# Altium PCB WPTChargerMain.PcbDoc (part 2 of 3)
Units mm, origin at the board's own origin, x right, y up, seen from the top; angles counter-clockwise.
Board outline 107.3 x 57.2 mm, 4 copper layers (Top, GND, Power, Bottom), stack 1.534 mm thick; 206 components, 90 nets, 548 pads, 577 vias.
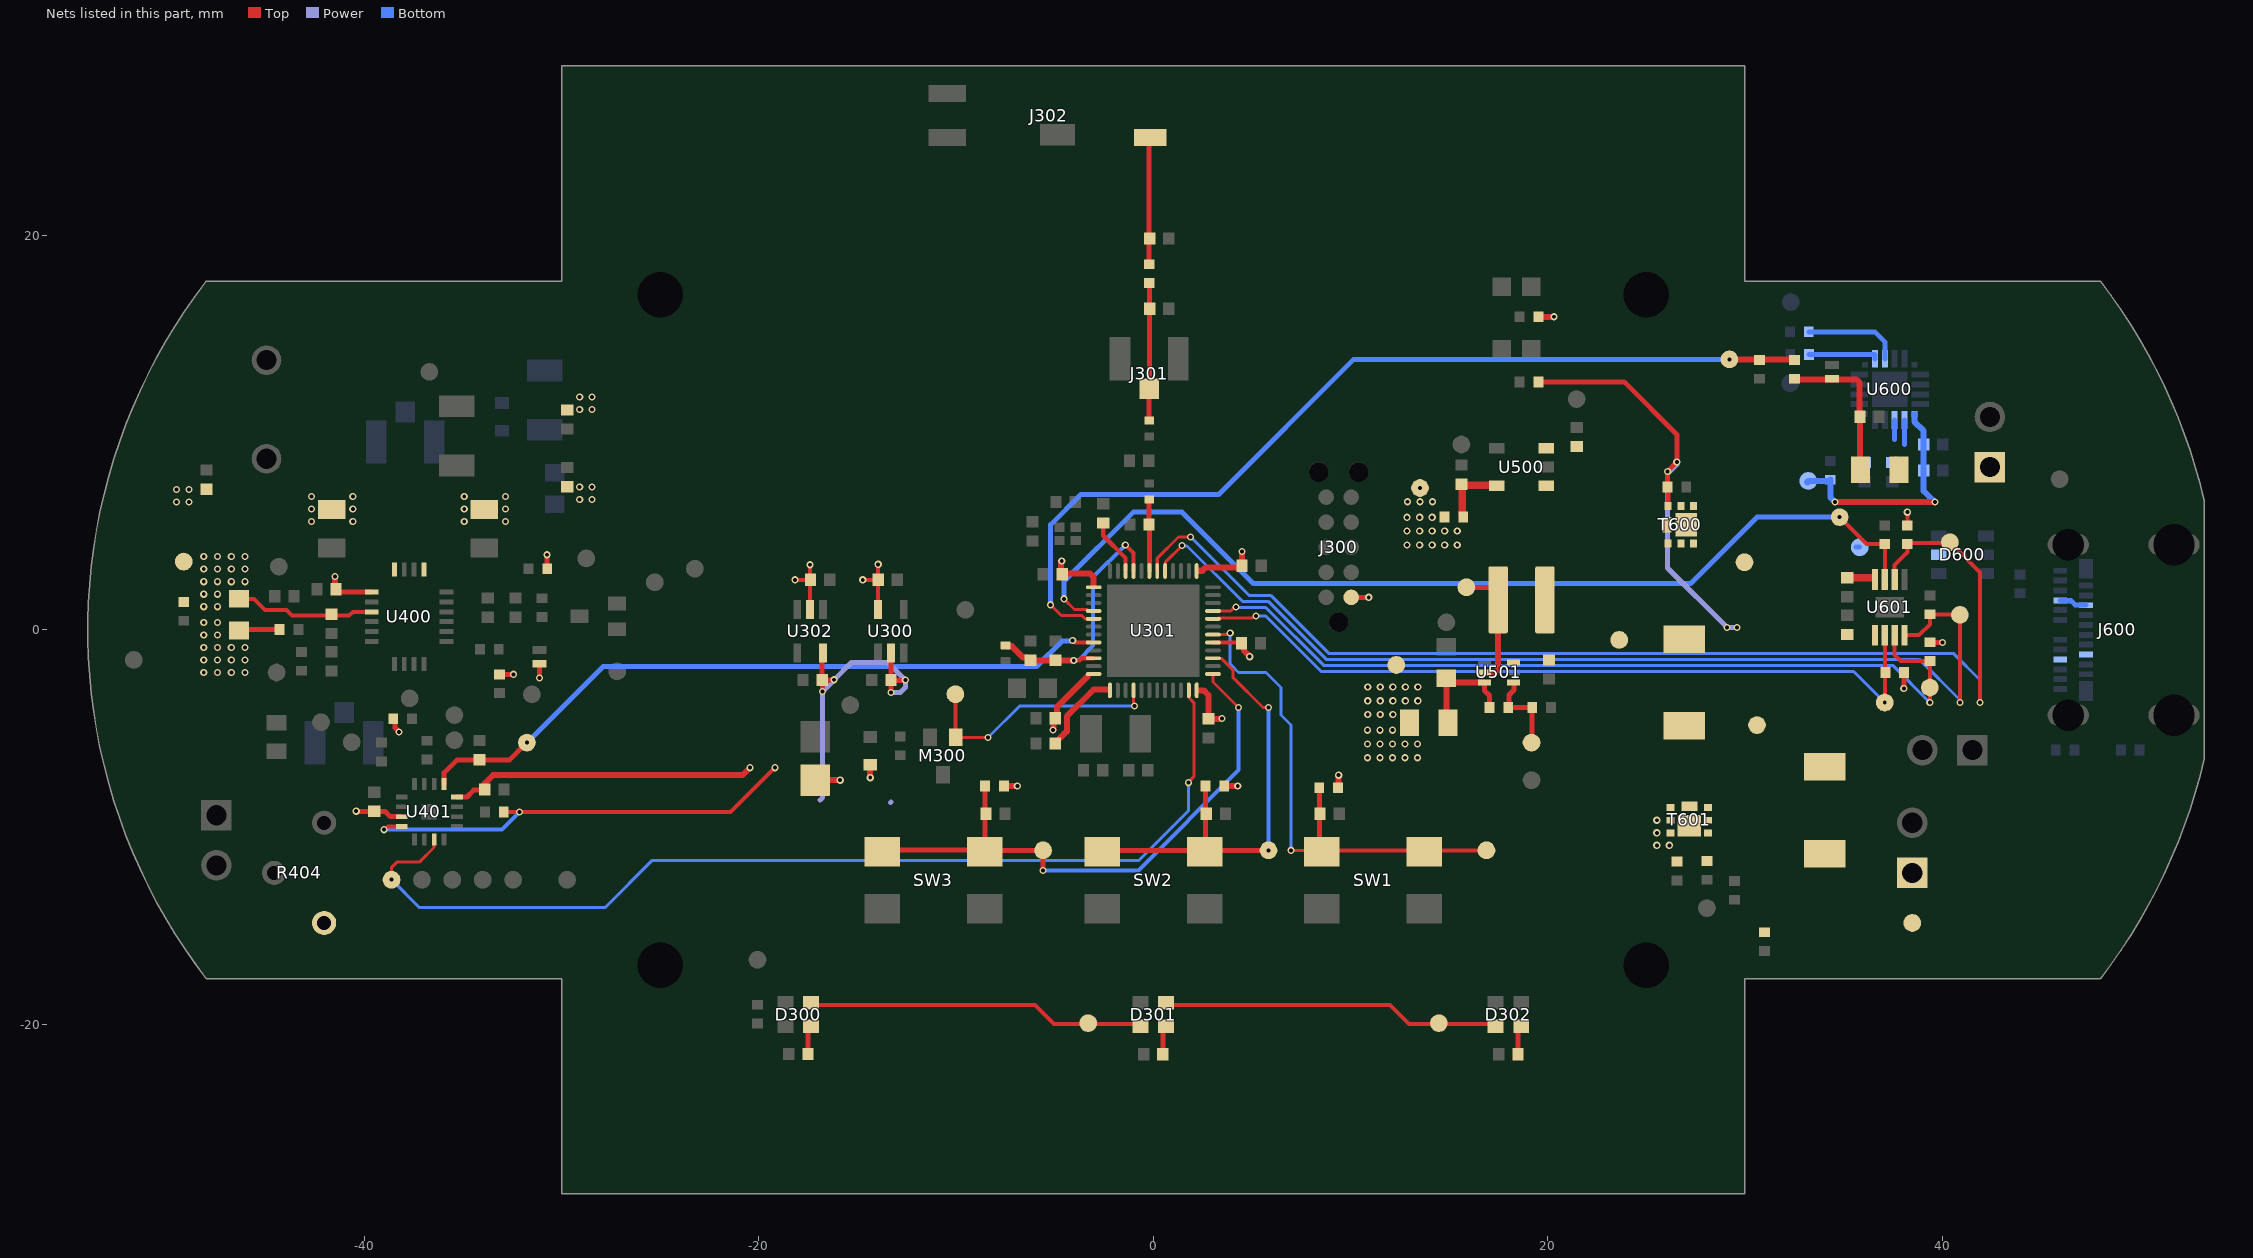
[diagram p4: the nets of this part, all layers, seen from the top]

## Part data (continued)
C600 C601 C603: "Ceramic Capacitor, Multilayer, Ceramic, 10V, 20% +Tol, 20% -Tol, X5R, 15% TC, 4.7uF, Surface Mount, 0402", Capacitor Type=Ceramic, Case/Package=0402, Manufacturer=TDK, Max Operating Temperature=85°C, Min Operating Temperature=-55°C, Package Shape=Rectangular, Package Style=SMTMeter, Rating=10V, Supplier Part Number=445-13820-2-ND, Supplier Part Number 1=445-13820-1-ND, Temperature Characteristics Code=X5R, Tolerance  (fill in as +-)=20%, Category="Ceramic Capacitors", ComponentLink1Description=https://datasheet.ciiva.com:443/pdfs/VipMasterIC/IC/TDKC/TDKC-S-A0008796792/TDKC-S-A0008796792-1.pdf?src-supplier=IHS+Markit, ComponentLink1URL=https://datasheet.ciiva.com:443/pdfs/VipMasterIC/IC/TDKC/TDKC-S-A0008796792/TDKC-S-A0008796792-1.pdf?src-supplier=IHS+Markit, ComponentLink2Description=https://datasheet.ciiva.com/24216/c1005x5r1a475m050bc-264317-24216438.pdf?src-supplier=Mouser, ComponentLink2URL=https://datasheet.ciiva.com/24216/c1005x5r1a475m050bc-264317-24216438.pdf?src-supplier=Mouser, ComponentLink3Description=https://datasheet.ciiva.com/26936/getdatasheetpartid-779544-26936446.pdf?src-supplier=Verical, ComponentLink3URL=https://datasheet.ciiva.com/26936/getdatasheetpartid-779544-26936446.pdf?src-supplier=Verical, ComponentLink4Description=https://datasheet.ciiva.com/23802/1796654-23802733.pdf?src-supplier=Newark, ComponentLink4URL=https://datasheet.ciiva.com/23802/1796654-23802733.pdf?src-supplier=Newark, ComponentLink5Description=https://datasheet.ciiva.com/22719/1796654-22719529.pdf?src-supplier=Element14, ComponentLink5URL=https://datasheet.ciiva.com/22719/1796654-22719529.pdf?src-supplier=Element14, ComponentLink6Description=https://datasheet.ciiva.com/28451/1796654-28451034.pdf?src-supplier=Element14, ComponentLink6URL=https://datasheet.ciiva.com/28451/1796654-28451034.pdf?src-supplier=Element14, ComponentLink7Description=https://datasheet.ciiva.com/22725/1913358-22725448.pdf?src-supplier=Element14, ComponentLink7URL=https://datasheet.ciiva.com/22725/1913358-22725448.pdf?src-supplier=Element14, ComponentLink8Description=https://datasheet.ciiva.com/28665/mlcc-commercial-general-en-28665500.pdf?src-supplier=Element14, ComponentLink8URL=https://datasheet.ciiva.com/28665/mlcc-commercial-general-en-28665500.pdf?src-supplier=Element14, ComponentLink9Description=https://datasheet.ciiva.com/6252/tdkmlcccaprange-6252157.pdf?src-supplier=Digi-Key, ComponentLink9URL=https://datasheet.ciiva.com/6252/tdkmlcccaprange-6252157.pdf?src-supplier=Digi-Key, ComponentLink10Description=https://datasheet.ciiva.com/6252/tdkmlcccaprange-6252150.pdf?src-supplier=Digi-Key, ComponentLink10URL=https://datasheet.ciiva.com/6252/tdkmlcccaprange-6252150.pdf?src-supplier=Digi-Key, ComponentLink11Description=https://datasheet.ciiva.com/24437/986print-detail-pdf-phplangenpart-noc1005x5r1a475m050bcimp-unit-xmhz-24437308.pdf?src-supplier=Onlinecomponents.com, ComponentLink11URL=https://datasheet.ciiva.com/24437/986print-detail-pdf-phplangenpart-noc1005x5r1a475m050bcimp-unit-xmhz-24437308.pdf?src-supplier=Onlinecomponents.com, Dielectric Material=Ceramic, Height=0.5mm, JESD-609 Code=e3, Length=1mm, Manufacturer Part Number=C1005X5R1A475K050BC, Mounting Technology="Surface Mount", Multilayer=Yes, Packaging="Tape and Reel", Pins=2, Pricing="1=0,3153, 10=0,2364, 25=0,2345, 50=0,1958, 100=0,1492, 250=0,1478, 500=0,0887 (USD)", Reach SVHC Compliant=Yes, RoHS=Yes, RoHS Compliant=Yes, Stock=569, Supplier=Digikey, Supplier 1=Digikey, Terminal Finish=Nickel, Termination=Wraparound, Tolerance (fill in as +-)=20%, Width=0.5mm
C606: "2.2 µF ±10% 16V Ceramic Capacitor X5R 0402 (1005 Metric)", Manufacturer=Murata, Package Description=0402, Rating=16V, Supplier Part Number 1=490-10455-1-ND, Category=Capacitor, Length (mm)="1.00 ±0.05", Manufacturer Part Number=GRM155R61C225KE44D, Supplier 1=Digikey, Thickness (mm)="0.50 ±0.05", Width (mm)="0.50 ±0.05"
D300 D301 D302: "Addressable Lighting - 1 LED Discrete Red, Green, Blue (RGB) 2.0mm L x 2.0mm W", Color=RGB, Manufacturer=Inolux, Supplier Part Number 1=1830-IN-PI20TAT5R5G5BCT-ND, Lenght=2.0mm, Manufacturer Part Number=IN-PI20TAT5R5G5B, Mounting Type=SMD, Supplier 1=Digikey, Supplier 2=Digikey, Supplier 3=Digikey, Supplier 4=Mouser, Supplier Part Number 2=1830-IN-PI20TAT5R5G5BDKR-ND, Supplier Part Number 3=1830-IN-PI20TAT5R5G5BTR-ND, Supplier Part Number 4=743-IN-PI20TAT5R5G5B, Width=2.0mm
D303 D400: "Diode 300 V 250mA Surface Mount SOD-523", Diode Capacitance=5pF, Forward Current=250mA, Forward Voltage=1.1V, Manufacturer="Diodes Incorporated", Reverse Current=150nA, Reverse Voltage=300V, Supplier Part Number 1=BAS521-7DICT-ND, Category=Diode, Manufacturer Part Number=BAS521-7, Mounting Type=SMD, Number of Channels=1, Supplier 1=Digikey, Type="General Purpose"
D401: "Diode 30 V 200mA Surface Mount X1-DFN1006-2", Current=200mA, Forward Voltage=1V, Manufacturer="Diodes Incorporated", Reverse Voltage=30V, Supplier Part Number 1=BAT54LPDICT-ND, Manufacturer Part Number=BAT54LP-7, Mounting Type=SMD, Reverse Leakage urrent=2uA, Supplier 1=Digikey
D500: library part "LED ORANGE CLEAR SMD 0603", "LED, ORANGE, SMD, 0603, 2V, 30mA", Forward Current=30mA, Forward Voltage=2V, Manufacturer="Lite-On Inc.", Power Rating=75mW, Supplier Part Number=160-1445-2-ND, Category=LED, Height=0.55mm, Length=1.60mm, Manufacturer Part Number=LTST-C191KFKT, Size Code=0603, Supplier=Digi-Key, Supplier 1=Digikey, Supplier Part Number 1=160-1445-2-ND, Wavelength=605nm, Width=0.80mm
D600: "TVS DIODE 5.5VWM 6TSOP", Manufacturer=Nexperia, Supplier Part Number 1=1727-2751-1-ND, Manufacturer Part Number=IP4220CZ6F, RoHS Compliant=Yes, Supplier 1=Digikey
D601 D602: "Diode 30 V 5A Surface Mount SOD-128/CFP5", Current=5A, Forward Voltage=360mV, Manufacturer="Nexperia USA Inc.", Reverse Voltage=50V, Supplier Part Number 1=1727-5317-1-ND, Manufacturer Part Number=PMEG3050EP,115, Mounting Type=SMD, Reverse Leakage urrent=8mA, Supplier 1=Digikey
D603: "5.4V (Typ) Clamp 6.5A (8/20µs) Ipp Tvs Diode Surface Mount DFN1006-2", Current peak pulse=6.5A, Manufacturer=Nexperia, Package=SOD-882, Supplier Part Number 1=1727-PESD5V5C1BLYLCT-ND, Voltage breakdown=7.5V, Voltage clamping=5.4V, Manufacturer Part Number=PESD5V5C1BLYL, Mountign type=SMD, Supplier 1=Digikey, Type=TVS
D604: library part "LED GREEN CLEAR SMD 0603", "LED, GREEN, SMD, 0603, 3.2V, 20mA", Forward Current=20mA, Forward Voltage=3.2V, Manufacturer="Lite-On Inc.", Power Rating=76mW, Supplier Part Number=160-1888-2-ND, Category=LED, Height=0.55mm, Length=1.60mm, Manufacturer Part Number=LTST-C191TGKT, Size Code=0603, Supplier=Digi-Key, Supplier 1=Digikey, Supplier Part Number 1=160-1888-2-ND, Wavelength=525nm, Width=0.80mm
J300: "Cbl Plug-Of-Nails 10-Pin 1.27mm", Manufacturer="Tag-Connect LLC", Supplier Part Number 1=TC2050-IDC-NL-ND, Connector Type="Male Pin", Manufacturer Part Number=TC2050-IDC-NL, Number of Positions=10, Number of Rows=2, Pitch - Matching="0.050\"", Supplier 1=Digikey
J301 J400 J401: "RF Connector, 1 Contact(s), Male, Board Mount, Surface Mount Terminal, Receptacle", Contact Resistance=20mR, Dielectric Withstanding Voltage (AC)=200V, Insulation Color=Beige, Insulation Resistance=500MR, Manufacturer=Hirose, Max Operating Temperature=90°C, Min Operating Temperature=-40°C, Operating Frequency-Max=6GHz, Supplier Part Number=H11891CT-ND, Body Depth=0.098inch, Body Diameter=0.079inch, Body/Shell Style=RECEPTACLE, Category="RF / Coaxial Connectors", Characteristic Impedance=50R, ComponentLink1Description=https://datasheet.ciiva.com:443/pdfs/VipMasterIC/IC/HIRO/HIROS10696/HIROS08829-1.pdf?src-supplier=IHS+Markit, ComponentLink1URL=https://datasheet.ciiva.com:443/pdfs/VipMasterIC/IC/HIRO/HIROS10696/HIROS08829-1.pdf?src-supplier=IHS+Markit, ComponentLink2Description=https://datasheet.ciiva.com/11762/0900766b8105243f-11762474.pdf?src-supplier=Rs, ComponentLink2URL=https://datasheet.ciiva.com/11762/0900766b8105243f-11762474.pdf?src-supplier=Rs, ComponentLink3Description=https://datasheet.ciiva.com/7651/91524-7651914.pdf?src-supplier=Element14, ComponentLink3URL=https://datasheet.ciiva.com/7651/91524-7651914.pdf?src-supplier=Element14, ComponentLink4Description=https://datasheet.ciiva.com/7651/91524-7651915.pdf?src-supplier=Element14, ComponentLink4URL=https://datasheet.ciiva.com/7651/91524-7651915.pdf?src-supplier=Element14, Connector Type="RF CONNECTOR", Contact Finish - Mating=GOLD, Contact Finish - Termination=GOLD, Contact Gender=Male, Contact Material=Bronze, Contact Style=Coax, Coupling Type=Snap, DIN Conformance=No, Durability=30Cycles, Filter Feature=No, IEC Conformance=No, Insertion Loss=0.05dB, Insulation Material=Polymer, JESD-609 Code=e4, Manufacturer Part Number=U.FL-R-SMT-1(10), Mating Information="MULTIPLE MATING PARTS AVAILABLE", MIL Conformance=No, Mounting Option 1=LOCKING, Mounting Style=STRAIGHT, Mounting Technology=Board, Number of Contacts=1, Number of Ports=1, Option="General Purpose", Panel Mount=No, Pricing="1=1,35, 10=1,138, 25=1,092, 50=1,0686, 100=1,0221, 250=0,9292, 500=0,83628, 1000=0,74336 (USD)", Reach SVHC Compliant=Yes, Reference Standard=UL, Reliability=COMMERCIAL, RoHS=Yes, RoHS Compliant=Yes, Shell Finish=Silver, Shell Material=CuSn, Stock=112692, Supplier=Digi-Key, Supplier 1=Digikey, Supplier Part Number 1=H11891CT-ND, Termination=SMD/SMT, VSWR=1.5
J302: "BLE 2.45 GHz SMD Antenna.", Center Frequency="2.45 GHz", Manufacturer="TE Connectivity", Maximum Frequency="2.484 GHz", Minimum Frequency="2.4 GHz", Power Rating="10 W", Supplier Part Number=TBD, Supplier Part Number 1=571-1513430-1, Category=Antenna, Gain="0 dB", Height=0.79mm, Impedance="50 Ohm", Length=12.85mm, Manufacturer Part Number=1513430-1, Mounting Style=SMD, Protocol="802.15.11, BLE", Supplier=TBD, Supplier 1=Mouser, Supplier 2=Digikey, Supplier 3=Digikey, Supplier Part Number 2=A108788CT-ND, Supplier Part Number 3=A108788TR-ND, Type="Passive Antenna", VSWR=2:1, Width=3.76mm
J600: library part CMP-04767-000004-1, "CONN RCP USB3.1 TYPEC 24P SMD RA", Current Rating=0.25/1.25/5A, Manufacturer=Molex, Package=0, Supplier Part Number 1=538-105450-0101, Temperature="-30°C to +85°C", Temperature Range High=+85°C, Temperature Range Low=-30°C, Voltage Rating=30V, Automotive=No, Category=Conn, ComponentLink2Description=Datasheet, ComponentLink2URL=https://www.molex.com/webdocs/datasheets/pdf/en-us/1054500101_IO_CONNECTORS.pdf, Conn Orientation="Right Angle", Contact Material=Gold,Nickel, Device Class L1=Connectors, Device Class L2="USB Connectors", Device Class L3=unset, Digikey Description="CONN RCP USB3.1 TYPEC 24P SMD RA", Footprint Url=https://www.molex.com/pdm_docs/sd/1054500101_sd.pdf, Height=3.44mm, Is Female=yes, Lead Free=Yes, Manufacturer Part Number=1054500101, Mouser Description="USB Shielded I/O Receptacle; Type C; Right Angle; Surface Mount; Gold over Nickel", Number of Contacts=24, Octopart=https://octopart.com/105450-0101-molex-68082325, Pitch=0.5mm, RoHS=TRUE, Shielding=true, Supplier 1=Mouser, Usb Standard="USB 3.1"
J601: "Prismatic, 3.7 V Lithium-Ion Battery Rechargeable (Secondary) 4400mAh", Capacity=4000mAh, Manufacturer=Uline, Max Discharge Current="3000 mA", Rapid Charge Current="2 A", Standard Charge current=0.8A, Standard Discharge Current=80mA, Voltage=3.7V, Category="Li-ion Polymer", Manufacturer Part Number=105060, Minimum Charge Cycles=300, Mounting Type="Through hole", Size=50x60x10mm, Weight=-
JP400 JP601: "Conn Unshrouded Header HDR 2 POS 2.54mm Solder ST Thru-Hole", Color=Black, Flammability Rating="UL94 V-0", Manufacturer=Samtec, Max Current Rating=7.6A, Max Operating Temperature=125°C, Max Voltage Rating (AC)=550V, Min Operating Temperature=-55°C, Package Quantity=1, Supplier Part Number=12P1301, Supplier Part Number 1=SAM1077-02-ND, Temperature Range="-55 to 125 degC", Category=Connectors, ComponentLink1Description="Manufacturer URL", ComponentLink1URL=http://www.samtec.com, ComponentLink2Description=Datasheet, ComponentLink2URL=http://www.samtec.com/documents/webfiles/pdf/TSW_TH.PDF, ComponentLink3Description="Package Specification", ComponentLink3URL=http://www.samtec.com/documents/webfiles/cpdf/TSW-XXX-XX-XXX-X-XX-XXX-MKT.pdf, ComponentLink4Description=https://datasheet.ciiva.com/10281/htsw-th-10281416.pdf?src-supplier=Avnet, ComponentLink4URL=https://datasheet.ciiva.com/10281/htsw-th-10281416.pdf?src-supplier=Avnet, ComponentLink5Description=https://datasheet.ciiva.com/6887/tsw-xxx-xx-xxx-x-xx-xxx-mkt-6887237.pdf?src-supplier=Digi-Key, ComponentLink5URL=https://datasheet.ciiva.com/6887/tsw-xxx-xx-xxx-x-xx-xxx-mkt-6887237.pdf?src-supplier=Digi-Key, Connector Type=Header, Contact Finish - Mating=GOLD, Contact Material=Bronze, Contact Mating Length=0.23inch, Contact Plating=Gold, Contact Shape=Square, Contact Type="Male Pin", DatasheetVersion=F-214, Depth=2.54mm, Fastening Type=Pull, Gender=Male, Housing Color=Black, Housing Material=Polyester, Insulation Color=Black, Insulation Material=PBT, Lead Free="Lead Free", Length=5.08mm, Manufacturer Part Number=TSW-102-26-G-S, Mounting Technology=Through-hole, Number of Contacts=2, Number of Positions=2, Number of Rows=1, Orientation=Vertical, PackageDescription=".025[0.64] SQ. Post Terminal Strip Assembly", PackageReference=TSW-102-26-XX-S, PackageVersion="DM, 8/1988", Packaging=Bulk, PartNumber=TSW-102-26-G-S, Pitch="2.54 mm", Pricing="1=0.51000, 10=0.47500, 100=0.33200, 500=0.28400, 1000=0.23700, 2500=0.21000, 5000=0.20400 (USD)", Radiation Hardening=No, Reach SVHC Compliant=Yes, RoHS=True, RoHS Compliant=Yes, Series=TSW, Stock=3117, Supplier=Newark, Supplier 1=Digikey, Termination=Solder, Width=2.54mm
JP600: "Conn Unshrouded Header HDR 2 POS 2.54mm 90 degrees Solder ST Thru-Hole", Color=Black, Flammability Rating="UL94 V-0", Manufacturer=Samtec, Max Current Rating=7.6A, Max Operating Temperature=125°C, Max Voltage Rating (AC)=550V, Min Operating Temperature=-55°C, Package Quantity=1, Supplier Part Number 1=200-TSW10225GSRA, Temperature Range="-55 to 125 degC", Category=Connectors, ComponentLink1Description="Manufacturer URL", ComponentLink1URL=http://www.samtec.com, ComponentLink2Description=Datasheet, ComponentLink2URL=http://www.samtec.com/documents/webfiles/pdf/TSW_TH.PDF, ComponentLink3Description="Package Specification", ComponentLink3URL=http://www.samtec.com/documents/webfiles/cpdf/TSW-XXX-XX-XXX-X-XX-XXX-MKT.pdf, ComponentLink4Description=https://datasheet.ciiva.com/10281/htsw-th-10281416.pdf?src-supplier=Avnet, ComponentLink4URL=https://datasheet.ciiva.com/10281/htsw-th-10281416.pdf?src-supplier=Avnet, ComponentLink5Description=https://datasheet.ciiva.com/6887/tsw-xxx-xx-xxx-x-xx-xxx-mkt-6887237.pdf?src-supplier=Digi-Key, ComponentLink5URL=https://datasheet.ciiva.com/6887/tsw-xxx-xx-xxx-x-xx-xxx-mkt-6887237.pdf?src-supplier=Digi-Key, Connector Type=Header, Contact Finish - Mating=GOLD, Contact Material=Bronze, Contact Mating Length=0.23inch, Contact Plating=Gold, Contact Shape=Square, Contact Type="Male Pin", DatasheetVersion=F-214, Depth=2.54mm, Fastening Type=Pull, Gender=Male, Housing Color=Black, Housing Material=Polyester, Insulation Color=Black, Insulation Material=PBT, Lead Free="Lead Free", Length=5.08mm, Manufacturer Part Number=TSW-102-25-G-S-RA, Mounting Technology=Through-hole, Number of Contacts=2, Number of Positions=2, Number of Rows=1, Orientation=Vertical, PackageDescription=".025[0.64] SQ. Post Terminal Strip Assembly", PackageVersion="DM, 8/1988", Packaging=Bulk, Pitch="2.54 mm", Radiation Hardening=No, Reach SVHC Compliant=Yes, RoHS=True, RoHS Compliant=Yes, Series=TSW, Supplier 1=Mouser, Termination=Solder, Width=2.54mm
L300: "15 nH Unshielded Multilayer Inductor 450 mA 320mOhm Max 0402 (1005 Metric)", Current Rating="450 mA", DC Resistance=320m, Manufacturer="Murata Electronics", Supplier Part Number 1=490-LQG15HS15NG02DCT-ND, Tolerance=±2%, Category=Inductor, Height=0.55mm, Length=1.00mm, Manufacturer Part Number=LQG15HS15NG02D, Shielding=Unshielded, Size Code=0402, Supplier 1=Digikey, Width=0.50mm
L301: "10 µH Shielded Multilayer Inductor 50 mA 900mOhm 0603 (1608 Metric)", Current Rating="50 mA", DC Resistance=900m, Manufacturer="Abracon LLC", Supplier Part Number 1=535-12249-1-ND, Tolerance=±20%, Category=Inductor, Height=0.95mm, Length=1.60mm, Manufacturer Part Number=ASMCI-0603-100M-T, Shielding=Shielded, Size Code=0603, Supplier 1=Digikey, Width=0.80mm
L302: "4.7 nH Unshielded Multilayer Inductor 700 mA 160mOhm Max 0402 (1005 Metric)", Current Rating="700 mA", DC Resistance=160m, Manufacturer="Murata Electronics", Supplier Part Number 1=490-LQG15HS4N7B02DCT-ND, Tolerance=±0.1nH, Category=Inductor, Height=0.55mm, Length=1.00mm, Manufacturer Part Number=LQG15HS4N7B02D, Shielding=Unshielded, Size Code=0402, Supplier 1=Digikey, Width=0.50mm
L303: "2.2 nH Unshielded Multilayer Inductor 900 mA 90mOhm Max 0402 (1005 Metric)", Current Rating="900 mA", DC Resistance=90m, Manufacturer="Murata Electronics", Supplier Part Number 1=490-LQG15HS2N2B02DCT-ND, Tolerance=±0.1nH, Category=Inductor, Height=0.55mm, Length=1.00mm, Manufacturer Part Number=LQG15HS2N2B02D, Shielding=Unshielded, Size Code=0402, Supplier 1=Digikey, Width=0.50mm
L400: "1 Coil, 2 Layer 24µH Wireless Charging Coil Transmitter 70mOhm", Manufacturer=Wurth, Rating=6A, Supplier Part Number 1=732-5283-ND, Category=Coil, Diameter=50mm, Manufacturer Part Number=760308100110, Supplier 1=Digikey, Thickness=6mm
L500: "680 nH Shielded Molded Inductor 8.1 A 10.1mOhm Max 1616 (4040 Metric)", Manufacturer=Coilcraft, Rating=8.1A, Supplier Part Number 1=2457-XGL4015-681MEC-ND, Category=Inductor, Manufacturer Part Number=XGL4015-681MEC, Supplier 1=Digikey
M300 M400: "N-Channel 30 V 270mA (Ta) 330mW (Ta) Surface Mount SC-70-3 (SOT323)", Id, drain  DC current max=270mA, Manufacturer=onsemi, Power Dissipation=330mW, Supplier Part Number 1=NVS4001NT1GOSCT-ND, Category=Transistor, Manufacturer Part Number=NVS4001NT1G, Mounting Type=SMD, Number of Channels=1, Rds On=1Ohm, Supplier 1=Digikey, Type=N-MOS, Vds breakdown="30 V", Vgs max=±20V, Vgs th=1.2V
NTC400: "NTC SMD 0603, 5KOHM, 1%, B25/85", B Tolerance=1%, Manufacturer="Vishay Dale", Max Power=100mW, Operating Temperature="40°C ~ 125°C", Package=0603, Supplier Part Number 1=594-NTCS0603E3502FLT, Manufacturer Part Number=NTCS0603E3502FLT, Mounting Type="Surface Mount", Supplier 1=Mouser, Supplier 2=Digikey, Supplier 3=Digikey, Supplier Part Number 2=541-NTCS0603E3502FLTCT-ND, Supplier Part Number 3=541-NTCS0603E3502FLTTR-ND, Tolerance=1%
P300: "Buzzers Transducer, Externally Driven Magnetic 3 V 120mA 4kHz 72dB @ 3V, 10cm Surface Mount Solder Pads", Current supply=120mA, Frequency=4kHz, Manufacturer="Raltron Electronics", Supplier Part Number 1=2151-RDTE-4.000-3030-NS1CT-ND, Voltage Range="2 ~ 4V", Manufacturer Part Number=RDTE-4.000-3030-NS1, Mounting Type=SMD, Supplier 1=Digikey
R300: "Res Thick Film 0402 470 Ohm 1% 1/16W ±100ppm/°C Molded SMD SMD Paper T/R", Case Code (Imperial)=0402, Case Code (Metric)=1005, Manufacturer=Yageo, Max Operating Temperature=155°C, Min Operating Temperature=-55°C, Power Rating=62.5mW, Resistor Type="Thick Film", Supplier Part Number=32AK1000, Supplier Part Number 1=13-RC0402FR-13470RLCT-ND, Temperature Coefficient=100ppm/°C, Tolerance=1%, Voltage Rating=50V, Case/Package=0402, Category="Chip SMD Resistors", ComponentLink1Description=https://datasheet.ciiva.com/5602/pyu-rc0402-51-rohs-l-6-r-8721-5602095.pdf?src-supplier=Mouser, ComponentLink1URL=https://datasheet.ciiva.com/5602/pyu-rc0402-51-rohs-l-6-r-8721-5602095.pdf?src-supplier=Mouser, Contact Plating=Tin,Matte, Height=0.35mm, Length=1mm, Manufacturer Part Number=RC0402FR-13470RL, Packaging="Tape and Reel", Pricing="1=0.10000, 10=0.01800, 25=0.01500, 50=0.01100, 100=0.00800 (USD)", Radiation Hardening=No, RoHS=Yes, Series=RC, Stock=249870, Supplier 1=Digikey, Termination=SMD/SMT, Width=0.5mm
R301: "Resistor, 0 Ohm, 0402, Metal element, Non-Implant grade,", Manufacturer=YAGEO, Medical Grade Manufacturer=-, Power=62.5mW, Supplier Part Number=TBD, Supplier Part Number 1=YAG5756CT-ND, Temperature Coefficient="150 ppm/°C", Category=Resistor, Height=0.35mm, Length=1.0mm, Manufacturer Part Number=PA0402-R-070RL, Medical Grade Manufacturer Part Number=-, Size Code=0402, Supplier=TBD, Supplier 1=Digikey, Supplier 2=Digikey, Supplier 3=Digikey, Supplier 4=Mouser, Supplier Part Number 2=YAG5756DKR-ND, Supplier Part Number 3=YAG5756TR-ND, Supplier Part Number 4=603-PA0402-R-070RL, Width=0.55m
R303 R304 R305 R409 R413: "Res Thick Film 0402 10K Ohm 1% 1/16W ±100ppm/°C Molded SMD SMD Paper T/R", Case Code (Imperial)=0402, Case Code (Metric)=1005, Manufacturer="Vishay Dale", Max Operating Temperature=155°C, Max Power Dissipation=63mW, Min Operating Temperature=-55°C, Ratings=AEC-Q200, Resistor Type="Thick Film", Supplier Part Number 1=541-10.0KLCT-ND, Temperature Coefficient=100ppm/°C, Tolerance=1%, Voltage Rating=50V, Case/Package=0402, Category="Chip SMD Resistors", ComponentLink1Description=https://datasheet.ciiva.com/9052/crcwhpe3-9052616.pdf?src-supplier=Avnet, ComponentLink1URL=https://datasheet.ciiva.com/9052/crcwhpe3-9052616.pdf?src-supplier=Avnet, ComponentLink2Description=https://datasheet.ciiva.com/5550/crcwhpe3-46056-5550367.pdf?src-supplier=Mouser, ComponentLink2URL=https://datasheet.ciiva.com/5550/crcwhpe3-46056-5550367.pdf?src-supplier=Mouser, ComponentLink3Description=https://datasheet.ciiva.com/7725/crcwhpe3-7725759.pdf?src-supplier=Element14, ComponentLink3URL=https://datasheet.ciiva.com/7725/crcwhpe3-7725759.pdf?src-supplier=Element14, ComponentLink4Description=https://datasheet.ciiva.com/28588/1750852-28588877.pdf?src-supplier=Element14, ComponentLink4URL=https://datasheet.ciiva.com/28588/1750852-28588877.pdf?src-supplier=Element14, Composition="Thick Film", Features="Automotive AEC-Q200", Lead Free="Lead Free", Manufacturer Part Number=CRCW040210K0FKED, Mount="Surface Mount", Number of Pins=2, Number of Terminations=2, Power Rating=63mW, Pricing 1="100=0.04700, 500=0.04400, 1000=0.04000, 2500=0.03700, 5000=0.03300 (GBP)", RoHS=Yes, RoHS Compliant=Yes, Series=CRCW-HP, Stock 1=17500, Supplier 1=Digikey, Termination=SMD/SMT
R312: "47 Ohms ±1% 0.063W, 1/16W Chip Resistor 0402 (1005 Metric) Automotive AEC-Q200 Thick Film", Case Code (Imperial)=0402, Case Code (Metric)=1005, Manufacturer="Vishay Dale", Max Operating Temperature=155°C, Max Power Dissipation=63mW, Min Operating Temperature=-55°C, Package Quantity=10, Supplier Part Number 1=71-CRCW0402-47-E3, Temperature Coefficient=100ppm/°C, Tolerance=1%, Voltage Rating=50V, Case/Package=0402, Composition="Thick Film", Contact Plating=Tin, Depth=0.5mm, Features="Automotive AEC-Q200", Height=0.35mm, Lead Free="Lead Free", Length=1mm, Manufacturer Part Number=CRCW040247R0FKED, Military Standard=Not, Mount="Surface Mount", Number of Pins=2, Number of Terminations=2, Packaging="Tape and Reel", Power Rating=63mW, Radiation Hardening=No, Supplier 1=Mouser, Supplier 2=Digikey, Supplier 3=Digikey, Supplier 4=Digikey, Supplier Part Number 2=541-47.0LCT-ND, Supplier Part Number 3=541-47.0LDKR-ND, Supplier Part Number 4=541-47.0LTR-ND, Termination=SMD/SMT, Voltage Rating (DC)=50V, Width=0.5mm
R400: "15 mOhms ±1% 0.2W, 1/5W Chip Resistor 0603 (1608 Metric) Automotive AEC-Q200, Current Sense, Moisture Resistant, Pulse Withstanding Metal Element", Manufacturer="Vishay Dale", Power=200mW, Supplier Part Number 1=WSLL-.015CT-ND, Temperature Coefficient=±75ppm/°C, Tolerance=1%, Category=Resistor, Height=0.53mm, Length=1.52mm, Manufacturer Part Number=WSL0603R0150FEA18, Size Code=0603, Supplier 1=Digikey, Width=0.76mm
R401: "298 kOhms ±1% 0.063W, 1/16W Chip Resistor 0402 (1005 Metric) Automotive AEC-Q200, Moisture Resistant Thin Film", Manufacturer="KOA Speer Electronics, Inc.", Power=0.063W, Supplier Part Number 1=2019-RN73R1ETTP2983F50CT-ND, Temperature Coefficient=±50ppm/°C, Tolerance=1%, Category=Resistor, Height=0.40mm, Length=0.50mm, Manufacturer Part Number=RN73R1ETTP2983F50, Size Code=0402, Supplier 1=Digikey, Width=1.00mm
R402 R403 R407 R410 R502 R608 R609 R610: "Resistor, 100k, 1%, 0402, Implant-grade", Manufacturer=Panasonic, Medical Grade MFR=Mini-Systems, Medical Grade MFR PN=WA20SM-1003F-NS62TRX, Rating=40V, Supplier Part Number 1=667-ERJ-2RKF1003X, Tolerance=1%, Category=Resistor, Length (mm)="1.12 ±0.10", Manufacturer Part Number=ERJ-2RKF1003X, PCB Footprint=res0402_reduced, Review=020823, Status=Approved, Supplier 1=Mouser, Thickness (mm)="0.33 ±0.08", Width (mm)="0.56 ±0.08"
R404: "10 kOhms 0.25W, 1/4W PC Pins Through Hole Trimmer Potentiometer Cermet 12.0 Turn Top Adjustment", Manufacturer="TT Electronics/BI", Power=0.25W, Supplier Part Number 1=987-1061-ND, Temperature Coefficient=±100ppm/°C, Tolerance=10%, Category=Resistor, Height=6.86mm, Length=6.35mm, Manufacturer Part Number=64WR10KLF, Number of Turns=12, Supplier 1=Digikey, Width=4.19mm
R405 R406 R500: "Resistor, Zero ohms, 40V, 40mW, 1%, 0402, Implant-grade", Manufacturer=Panasonic, Medical Grade MFR=Mini-Systems, Medical Grade MFR PN=WAJ20PG-NS62TRX, Package Description=TBD, Rating=40V, Supplier Part Number 1=667-ERJ-2GE0R00X, Tolerance=1%, Category=Resistor, Length (mm)="1.12 ±0.10", Manufacturer Part Number=ERJ-2GE0R00X, PCB Footprint=res0402_reduced, Review=020823, Status=Approved, Supplier 1=Mouser, Thickness (mm)="0.33 ±0.08", Width (mm)="0.56 ±0.08"
R408 R412: "5 kOhms ±1% 0.063W, 1/16W Chip Resistor 0402 (1005 Metric) Moisture Resistant Thick Film", Manufacturer=Yageo, Package Description=0402, Rating=40V, Supplier Part Number 1=13-RC0402FR-075KLCT-ND, Tolerance=1%, Category=Resistor, Manufacturer Part Number=RC0402FR-075KL, Supplier 1=Digikey, Thickness (mm)="0.33 ±0.08", Width (mm)="0.56 ±0.08"
R411: "100 kOhms ±1% 0.1W, 1/10W Chip Resistor 0603 (1608 Metric) Automotive AEC-Q200 Thick Film", Case/Package=0603, Manufacturer=Vishay, Max Operating Temperature=155°C, Min Operating Temperature=-55°C, Package Shape=Rectangular, Power=100mW, Supplier Part Number 1=541-3950-1-ND, Tolerance=1%, Category="Chip SMD Resistors", ComponentLink1Description=https://datasheet.ciiva.com:443/pdfs/VipMasterIC/IC/VISH/VISH-S-A0002932828/VISH-S-A0002932828-1.pdf?src-supplier=IHS+Markit, ComponentLink1URL=https://datasheet.ciiva.com:443/pdfs/VipMasterIC/IC/VISH/VISH-S-A0002932828/VISH-S-A0002932828-1.pdf?src-supplier=IHS+Markit, ComponentLink2Description=https://datasheet.ciiva.com/2471/crcw0201e3-2471712.pdf?src-supplier=Digikey, ComponentLink2URL=https://datasheet.ciiva.com/2471/crcw0201e3-2471712.pdf?src-supplier=Digikey, ComponentLink3Description=https://datasheet.ciiva.com/7841/1719906-7841431.pdf?src-supplier=Element14, ComponentLink3URL=https://datasheet.ciiva.com/7841/1719906-7841431.pdf?src-supplier=Element14, ComponentLink4Description=https://datasheet.ciiva.com/7841/1719906-7841430.pdf?src-supplier=Element14, ComponentLink4URL=https://datasheet.ciiva.com/7841/1719906-7841430.pdf?src-supplier=Element14, ComponentLink5Description=https://datasheet.ciiva.com/22665/1847332-22665688.pdf?src-supplier=Element14, ComponentLink5URL=https://datasheet.ciiva.com/22665/1847332-22665688.pdf?src-supplier=Element14, ComponentLink6Description=https://datasheet.ciiva.com/2471/crcw0201e3-2471713.pdf?src-supplier=Digikey, ComponentLink6URL=https://datasheet.ciiva.com/2471/crcw0201e3-2471713.pdf?src-supplier=Digikey, ComponentLink7Description=https://datasheet.ciiva.com/2471/crcw0201e3-2471711.pdf?src-supplier=Digikey, ComponentLink7URL=https://datasheet.ciiva.com/2471/crcw0201e3-2471711.pdf?src-supplier=Digikey, ComponentLink8Description=https://datasheet.ciiva.com/16757/70202042-16757849.pdf?src-supplier=Allied+Electronics, ComponentLink8URL=https://datasheet.ciiva.com/16757/70202042-16757849.pdf?src-supplier=Allied+Electronics, ComponentLink9Description=https://datasheet.ciiva.com/16436/crcw0201e3-16436237.pdf?src-supplier=Future+Electronics, ComponentLink9URL=https://datasheet.ciiva.com/16436/crcw0201e3-16436237.pdf?src-supplier=Future+Electronics, Construction=Chip, Manufacturer Part Number=CRCW0603100KFKEAC, Mounting Technology="Surface Mount", Pins=2, RoHS=Yes, Supplier 1=Digikey, Terminal Finish=Nickel
R501: "732 kOhms ±1% 0.063W, 1/16W Chip Resistor 0402 (1005 Metric) Automotive AEC-Q200 Thick Film", Manufacturer="Vishay Dale", Power=63mW, Supplier Part Number 1=541-732KLCT-ND, Temperature Coefficient=±100ppm/°C, Tolerance=1%, Category=Resistor, Height=0.40mm, Length=1.00mm, Manufacturer Part Number=CRCW0402732KFKED, Size Code=0402, Supplier 1=Digikey, Width=0.50mm
R503 R611: "0 Ohms Jumper Chip Resistor 0805 (2012 Metric) Automotive AEC-Q200, Pulse Withstanding Thick Film", Case/Package=0805, Manufacturer="Vishay Dale", Max Operating Temperature=155°C, Min Operating Temperature=-55°C, Power Rating=500mW, Resistance=0mR, Supplier Part Number 1=541-2827-1-ND, Voltage Rating (DC)=150V, Category="Chip SMD Resistors", ComponentLink1Description=https://datasheet.ciiva.com/11809/0900766b80fcdb72-11809586.pdf?src-supplier=Rs, ComponentLink1URL=https://datasheet.ciiva.com/11809/0900766b80fcdb72-11809586.pdf?src-supplier=Rs, ComponentLink2Description=https://datasheet.ciiva.com/7001/1902866-7001645.pdf?src-supplier=Newark, ComponentLink2URL=https://datasheet.ciiva.com/7001/1902866-7001645.pdf?src-supplier=Newark, ComponentLink3Description=https://datasheet.ciiva.com/7986/691949-7986171.pdf?src-supplier=Element14, ComponentLink3URL=https://datasheet.ciiva.com/7986/691949-7986171.pdf?src-supplier=Element14, ComponentLink4Description=https://datasheet.ciiva.com/7660/1856384-7660956.pdf?src-supplier=Element14, ComponentLink4URL=https://datasheet.ciiva.com/7660/1856384-7660956.pdf?src-supplier=Element14, ComponentLink5Description=https://datasheet.ciiva.com/22693/1902866-22693213.pdf?src-supplier=Element14, ComponentLink5URL=https://datasheet.ciiva.com/22693/1902866-22693213.pdf?src-supplier=Element14, ComponentLink6Description=https://datasheet.ciiva.com/5545/chpreztr-5545708.pdf?src-supplier=Mouser, ComponentLink6URL=https://datasheet.ciiva.com/5545/chpreztr-5545708.pdf?src-supplier=Mouser, ComponentLink7Description=https://datasheet.ciiva.com/16761/70154685-16761515.pdf?src-supplier=Allied+Electronics, ComponentLink7URL=https://datasheet.ciiva.com/16761/70154685-16761515.pdf?src-supplier=Allied+Electronics, ComponentLink8Description=https://datasheet.ciiva.com/30062/159chpreztr-30062601.pdf?src-supplier=Onlinecomponents.com, ComponentLink8URL=https://datasheet.ciiva.com/30062/159chpreztr-30062601.pdf?src-supplier=Onlinecomponents.com, ComponentLink9Description=https://datasheet.ciiva.com/48692/001055497-da-01-en-smd-wid-cr0603-j-000elf-0-0-ohm-1-10w-48692135.pdf?src-supplier=Conrad, ComponentLink9URL=https://datasheet.ciiva.com/48692/001055497-da-01-en-smd-wid-cr0603-j-000elf-0-0-ohm-1-10w-48692135.pdf?src-supplier=Conrad, ComponentLink10Description=https://datasheet.ciiva.com/11811/0900766b80d98b26-11811304.pdf?src-supplier=Rs, ComponentLink10URL=https://datasheet.ciiva.com/11811/0900766b80d98b26-11811304.pdf?src-supplier=Rs, ComponentLink11Description=https://datasheet.ciiva.com/2463/dcrcwe3-2463037.pdf?src-supplier=Digi-Key, ComponentLink11URL=https://datasheet.ciiva.com/2463/dcrcwe3-2463037.pdf?src-supplier=Digi-Key, ComponentLink12Description=https://datasheet.ciiva.com/2463/dcrcwe3-2463038.pdf?src-supplier=Digi-Key, ComponentLink12URL=https://datasheet.ciiva.com/2463/dcrcwe3-2463038.pdf?src-supplier=Digi-Key, ComponentLink13Description=https://datasheet.ciiva.com/2463/dcrcwe3-2463039.pdf?src-supplier=Digi-Key, ComponentLink13URL=https://datasheet.ciiva.com/2463/dcrcwe3-2463039.pdf?src-supplier=Digi-Key, ComponentLink14Description=https://datasheet.ciiva.com/5543/dcrcwe3-109170-5543096.pdf?src-supplier=Mouser, ComponentLink14URL=https://datasheet.ciiva.com/5543/dcrcwe3-109170-5543096.pdf?src-supplier=Mouser, ComponentLink15Description=https://datasheet.ciiva.com/16389/dcrcwe3-16389338.pdf?src-supplier=Future+Electronics, ComponentLink15URL=https://datasheet.ciiva.com/16389/dcrcwe3-16389338.pdf?src-supplier=Future+Electronics, ComponentLink16Description=https://datasheet.ciiva.com/7841/1697337-7841629.pdf?src-supplier=Element14, ComponentLink16URL=https://datasheet.ciiva.com/7841/1697337-7841629.pdf?src-supplier=Element14, ComponentLink17Description=https://datasheet.ciiva.com/7841/1720486-7841839.pdf?src-supplier=Element14, ComponentLink17URL=https://datasheet.ciiva.com/7841/1720486-7841839.pdf?src-supplier=Element14, ComponentLink18Description=https://datasheet.ciiva.com/26314/fld-crcw-e3-data-en-26314630.pdf?src-supplier=Distrelec, ComponentLink18URL=https://datasheet.ciiva.com/26314/fld-crcw-e3-data-en-26314630.pdf?src-supplier=Distrelec, ComponentLink19Description=https://datasheet.ciiva.com/16719/70201119-16719706.pdf?src-supplier=Allied+Electronics, ComponentLink19URL=https://datasheet.ciiva.com/16719/70201119-16719706.pdf?src-supplier=Allied+Electronics, Composition="Thick Film", Depth=1.25mm, Height=0.5mm, Manufacturer Part Number=RCS08050000Z0EA, Mount="Surface Mount", Number of Pins=2, Radiation Hardening=No, Supplier 1=Digikey, Termination=SMD/SMT, Width=2mm